# Altium PCB main.PcbDoc (part 3 of 5)
Units mm, origin at the board's own origin, x right, y up, seen from the top; angles counter-clockwise.
Board outline 54 x 86 mm, 8 copper layers (L1, L2, L3, L4, L5, L6, L7, L8), stack 1.624 mm thick; 313 components, 261 nets, 1426 pads, 897 vias.
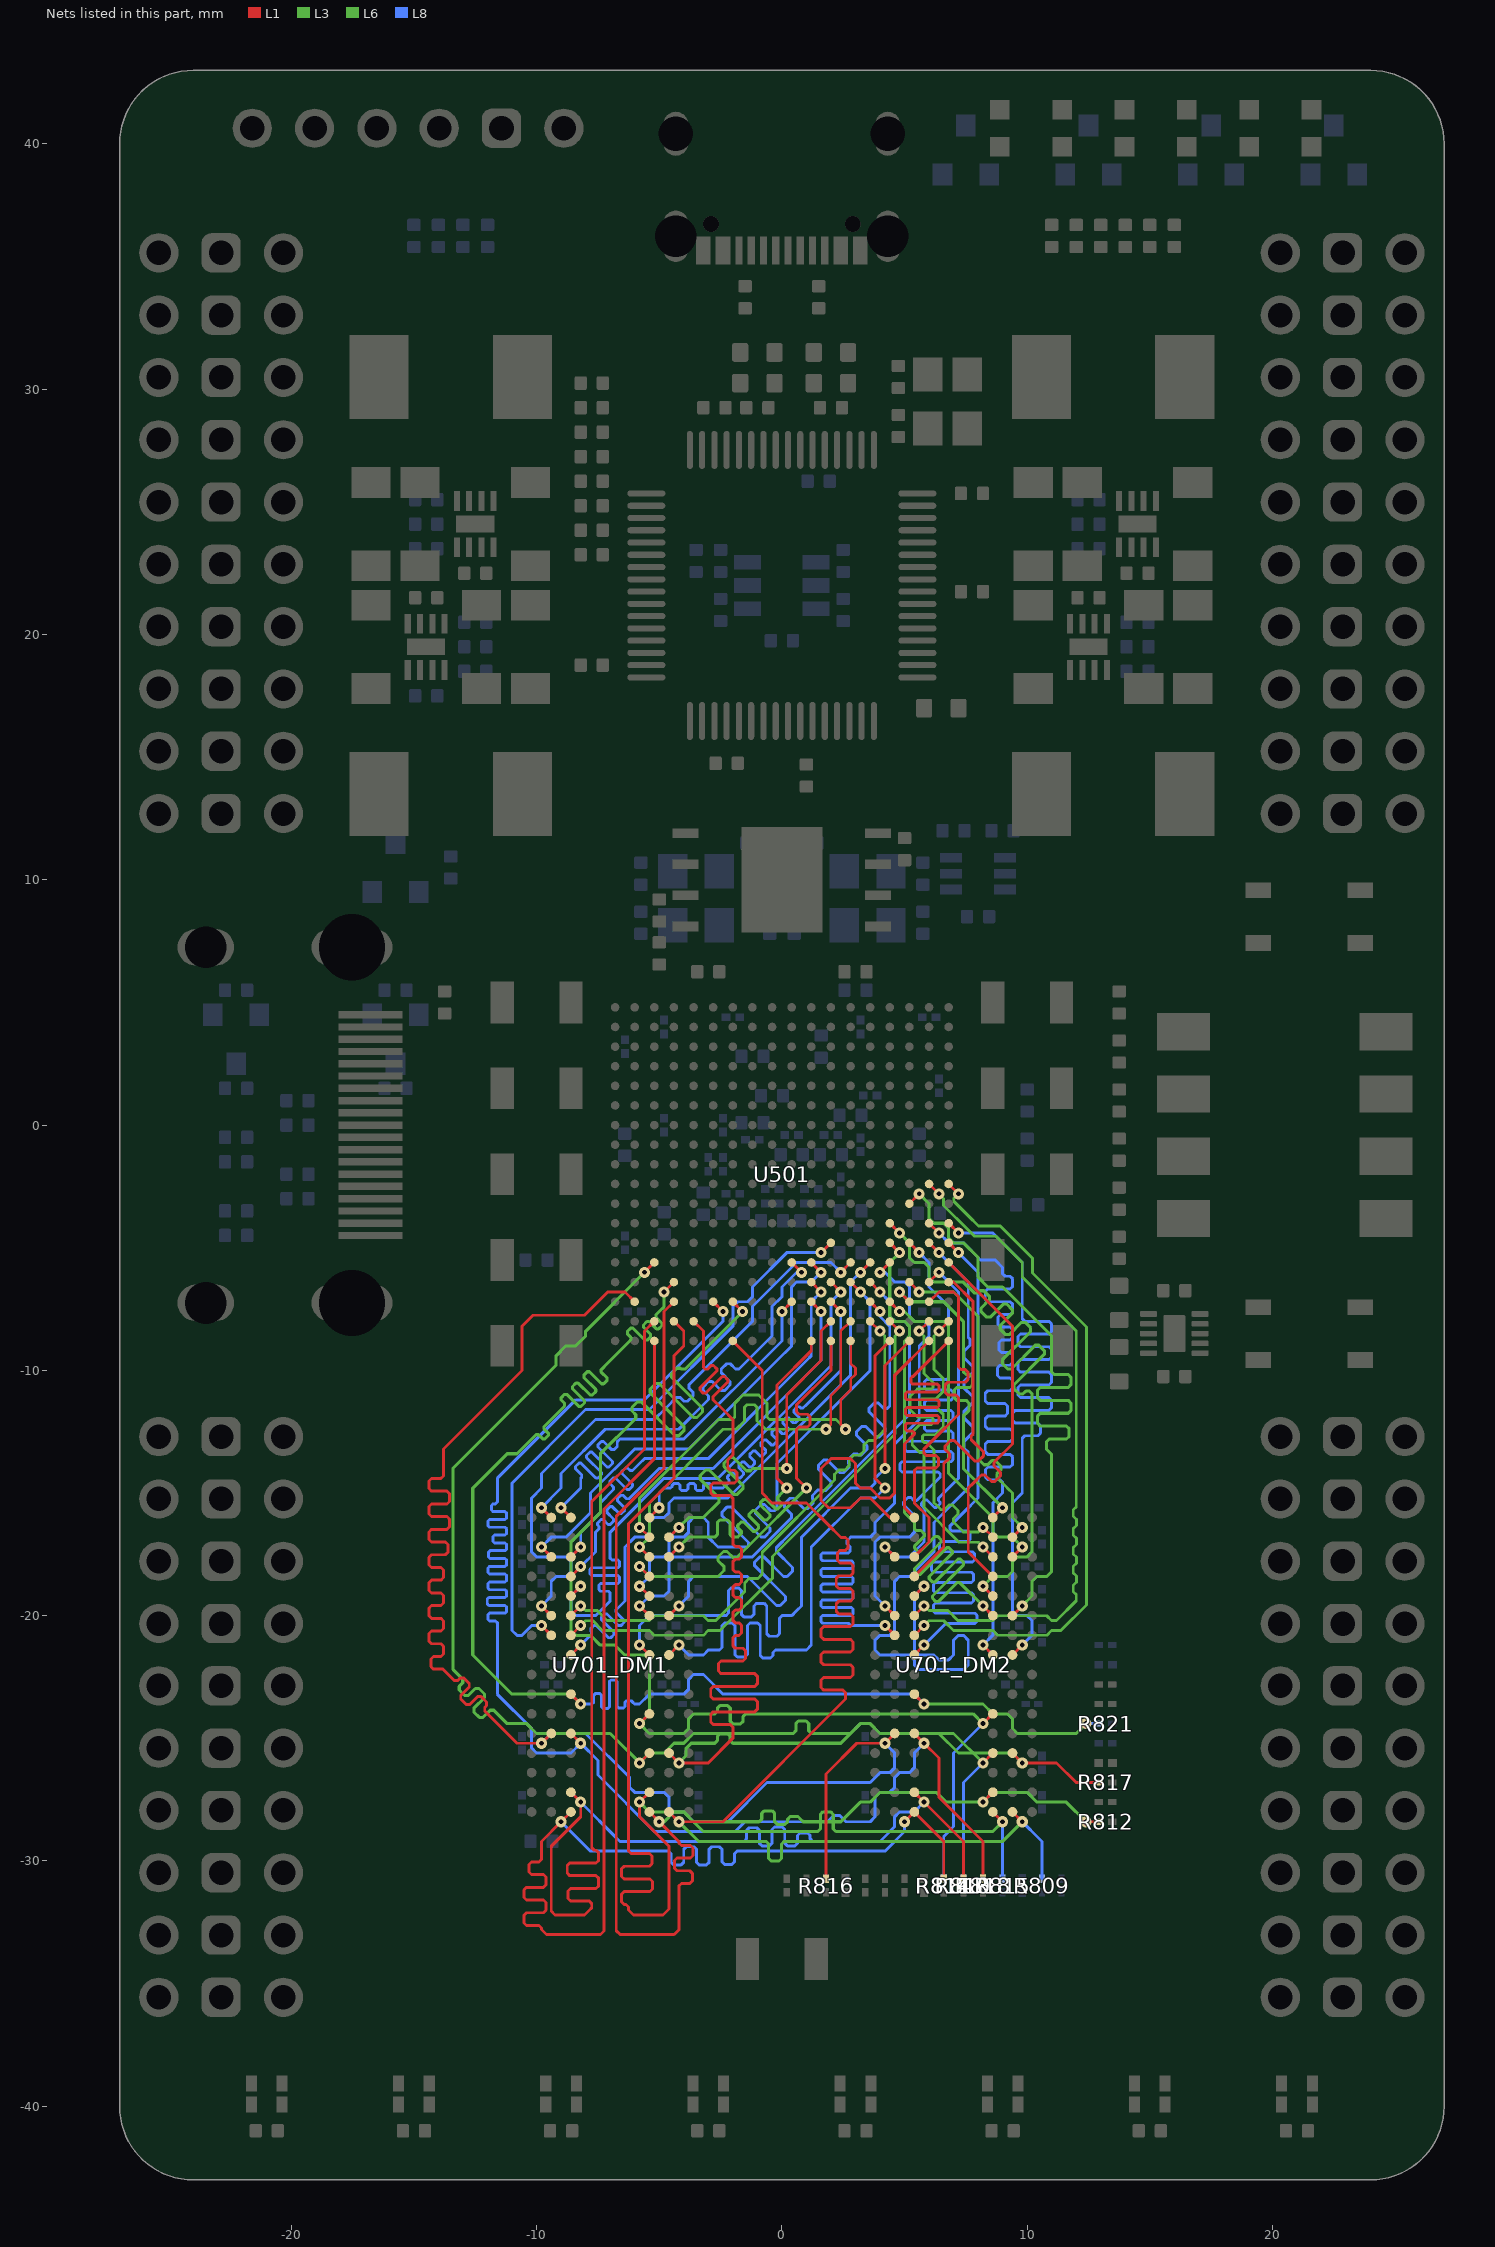
[diagram p9: the nets of this part, all layers, seen from the top]

## Via types
v1: diameter 0.45/0/0/0/0/0/0/0.45 (per signal layer), hole 0.2, L1 to L8, tented both sides, 459 vias
v2: diameter 0.45/0/0/0/0/0/0/0.45 (per signal layer), hole 0.3, L1 to L8, tented both sides, 203 vias
v3: diameter 0.45/0/0/0/0/0.45/0/0.45 (per signal layer), hole 0.2, L1 to L8, tented both sides, 98 vias
v4: diameter 0.5/0/0/0/0/0/0/0.5 (per signal layer), hole 0.3, L1 to L8, tented both sides, 72 vias
v5: diameter 0.45/0/0.45/0/0/0/0/0.45 (per signal layer), hole 0.2, L1 to L8, tented both sides, 58 vias
v6: diameter 0.45/0/0.45/0/0/0.45/0/0.45 (per signal layer), hole 0.2, L1 to L8, tented both sides, 6 vias
v7: diameter 0.45/0/0.45/0/0/0/0/0.45 (per signal layer), hole 0.3, L1 to L8, tented both sides, 1 vias

## Nets (pads, with @x,y where several pads share a name; then routed paths per layer and width w, separated by ;. In a path a pad name is that pad's centre, name@x,y a point inside that pad or via, vN(x,y) a via of type N, cw(c..) or ccw(c..) an arc to the next point about the centre after c; other vN are vias at no path point) (continued)
DDRADR.A8: R809.1 U501.G1 U701_DM1.T8 U701_DM2.T8 | length 56
  L1 w0.118: U701_DM1.T8@-4.6,-28 v5(-4.2,-28.4) -2.4,-28.4 2.6,-23.4 2.6,-23.2 2.6,-23.141 2.496,-23.037 1.704,-23.037 1.6,-22.933 1.6,-22.622 1.704,-22.519 2.796,-22.519 2.9,-22.415 2.9,-22.104 2.796,-22 1.704,-22 1.6,-21.897 1.6,-21.586 1.704,-21.482 2.796,-21.482 2.9,-21.378 2.9,-21.067 2.796,-20.964 1.704,-20.964 1.6,-20.86 1.6,-20.549 1.704,-20.445 2.796,-20.445 2.9,-20.341 2.9,-20.03 2.796,-19.927 2.322,-19.927 2.218,-19.823 2.218,-19.512 2.322,-19.408 2.796,-19.408 2.9,-19.305 2.9,-18.994 2.796,-18.89 2.322,-18.89 2.218,-18.786 2.218,-18.475 2.322,-18.372 2.796,-18.372 2.9,-18.268 2.9,-17.957 2.796,-17.853 2.372,-17.853 2.269,-17.749 2.269,-17.438 2.372,-17.335 2.6,-17.335 2.704,-17.231 2.704,-16.92 2.6,-16.816 2.416,-16.816 1.848,-16.248 1,-15.4 -0.4,-15.4 -0.8,-15 -0.8,-10 U501.G1@-2,-8.8 ; U701_DM2.T8@9.4,-28 v5(9.8,-28.4)
  L3 w0.126: v5(-4.2,-28.4) -3.4,-29.2 -1.233,-29.2 -0.644,-29.2 -0.539,-29.305 -0.539,-29.897 -0.434,-30.002 -0.118,-30.002 -0.013,-29.897 -0.013,-29.305 0.093,-29.2 1.4,-29.2 9,-29.2 v5(9.8,-28.4)
  L8 w0.118: v5(9.8,-28.4) 10.5,-29.1 10.6,-29.2 R809.1@10.6,-30.725
DDRADR.A9: R810.1 U501.C2 U701_DM1.R3 U701_DM2.R3 | length 59.6
  L1 w0.118: U701_DM1.R3@-8.6,-27.2 v1(-8.2,-27.6) -8.2,-28.2 -9.4,-29.4 -9.4,-32.045 -9.245,-32.2 -8.045,-32.2 -7.864,-32.019 -7.75,-31.905 -7.75,-31.74 -7.854,-31.636 -8.61,-31.636 -8.714,-31.533 -8.714,-31.222 -8.61,-31.118 -7.572,-31.118 -7.468,-31.014 -7.468,-30.703 -7.572,-30.6 -8.646,-30.6 -8.75,-30.496 -8.75,-30.185 -8.646,-30.081 -7.572,-30.081 -7.468,-29.978 -7.468,-29.667 -7.572,-29.563 -7.646,-29.563 -7.75,-29.459 -7.75,-29.4 -7.75,-15.35 -5.6,-13.2 -5.6,-8.4 U501.C2@-5.2,-8 ; U701_DM2.R3@5.4,-27.2 v1(5.8,-27.6) 7.4,-29.2 R810.1@7.4,-30.725
  L8 w0.118: v1(-8.2,-27.6) -8,-27.8 -6.913,-28.887 -6.6,-29.2 -1.6,-29.2 -1.541,-29.2 -1.437,-29.096 -1.437,-28.75 -1.333,-28.646 -1.022,-28.646 -0.919,-28.75 -0.919,-29.278 -0.815,-29.382 -0.504,-29.382 -0.4,-29.278 -0.4,-28.722 -0.297,-28.618 0.014,-28.618 0.118,-28.722 0.118,-29.278 0.222,-29.382 0.533,-29.382 0.636,-29.278 0.636,-28.959 0.74,-28.856 1.051,-28.856 1.155,-28.959 1.155,-29.096 1.259,-29.2 1.4,-29.2 4,-29.2 4.6,-28.6 4.6,-28.2 4.8,-28 5.4,-28 v1(5.8,-27.6)
DDRADR.A10: R811.1 U501.G3 U701_DM1.L7 U701_DM2.L7 | length 55.5
  L1 w0.118: v6(-5.8,-24.4) U701_DM1.L7@-5.4,-24 ; U501.G3@-2,-7.2 v3(-1.6,-7.6) ; v5(8.2,-24.4) U701_DM2.L7@8.6,-24
  L3 w0.126: v6(-5.8,-24.4) -5.4,-24.8 -4,-24.8 -3.8,-24.6 -3.8,-24.2 -3.6,-24 -2.8,-24 -2.737,-24 -2.632,-23.895 -2.632,-23.771 -2.526,-23.665 -2.211,-23.665 -2.105,-23.771 -2.105,-24.307 -2,-24.412 -1.684,-24.412 -1.579,-24.307 -1.579,-24.105 -1.474,-24 -1.006,-24 7.8,-24 v5(8.2,-24.4)
  L6 w0.126: v6(-5.8,-24.4) -5.4,-24 -5.4,-21.8 -5.6,-21.6 -6.4,-21.6 -6.8,-21.2 -7.4,-21.2 -7.8,-20.8 -8.4,-20.8 -8.6,-20.6 -8.6,-17 -7.4,-15.8 -7.4,-13.4 -6,-12 -5.956,-11.956 -5.956,-11.807 -6.109,-11.653 -6.109,-11.504 -5.886,-11.281 -5.737,-11.281 -4.354,-12.665 -4.205,-12.665 -3.982,-12.441 -3.982,-12.292 -5.365,-10.909 -5.365,-10.76 -5.142,-10.537 -4.993,-10.537 -3.61,-11.92 -3.461,-11.92 -3.238,-11.697 -3.238,-11.548 -4.502,-10.284 -4.502,-10.135 -4.279,-9.912 -4.13,-9.912 -4.095,-9.946 -3.946,-9.946 -3.645,-9.645 v3(-1.6,-7.6)
  L8 w0.118: R811.1@6.6,-30.725 6.6,-29.1 6.6,-29 7,-28.6 7,-25.6 v5(8.2,-24.4)
DDRADR.A11: R812.1 U501.D2 U701_DM1.R7 U701_DM2.R7 | length 58.7
  L1 w0.118: U701_DM1.R7@-5.4,-27.2 v3(-5.8,-27.6) -5.8,-28.2 -4.6,-29.4 -4.6,-31.955 -4.845,-32.2 -6.045,-32.2 -6.25,-31.995 -6.25,-31.931 -6.25,-31.872 -6.354,-31.768 -6.428,-31.768 -6.532,-31.665 -6.532,-31.354 -6.428,-31.25 -5.373,-31.25 -5.269,-31.146 -5.269,-30.835 -5.373,-30.732 -6.428,-30.732 -6.532,-30.628 -6.532,-30.317 -6.428,-30.213 -5.394,-30.213 -5.29,-30.11 -5.29,-29.798 -5.394,-29.695 -6.146,-29.695 -6.25,-29.591 -6.25,-29.43 -6.25,-16.25 -4.4,-14.4 -4.4,-9.4 -4,-9 -4,-8.4 U501.D2@-4.4,-8 ; v6(8.2,-27.6) U701_DM2.R7@8.6,-27.2 ; v5(12.4,-28.4) R812.1@12.925,-28.4
  L3 w0.126: v6(8.2,-27.6) 8.6,-27.2 10,-27.2 10.4,-27.6 11.6,-27.6 v5(12.4,-28.4)
  L6 w0.126: v3(-5.8,-27.6) -5.4,-28 -4,-28 -3.6,-28.4 -0.987,-28.4 -0.924,-28.4 -0.819,-28.295 -0.819,-28.06 -0.713,-27.955 -0.398,-27.955 -0.292,-28.06 -0.292,-28.4 -0.187,-28.505 0.128,-28.505 0.234,-28.4 0.234,-28.295 0.339,-28.189 0.655,-28.189 0.76,-28.295 0.865,-28.4 1.318,-28.4 2.4,-28.4 3.2,-27.6 3.6,-27.6 4,-27.2 6.3,-27.2 6.7,-27.6 v6(8.2,-27.6)
DDRADR.A12: R813.1 U501.C5 U701_DM1.N7 U701_DM2.N7 | length 53.7
  L1 w0.118: v6(-5.8,-26) U701_DM1.N7@-5.4,-25.6 ; v3(-5.6,-6) U501.C5@-5.2,-5.6 ; v5(8.2,-26) U701_DM2.N7@8.6,-25.6
  L3 w0.126: v6(-5.8,-26) -5.4,-25.6 -4.8,-25.6 -4.4,-25.2 -4,-25.2 -3.6,-24.8 0.4,-24.8 0.463,-24.8 0.568,-24.695 0.568,-24.4 0.674,-24.295 0.989,-24.295 1.095,-24.4 1.095,-24.695 1.2,-24.8 1.965,-24.8 2.8,-24.8 3.2,-24.4 3.6,-24.4 4,-24.8 7,-24.8 v5(8.2,-26)
  L6 w0.126: v6(-5.8,-26) -7,-24.8 -10,-24.8 -10.4,-24.4 -11.2,-24.4 -11.7,-23.9 -11.745,-23.855 -11.893,-23.855 -12.185,-24.147 -12.334,-24.147 -12.557,-23.923 -12.557,-23.775 -12.125,-23.343 -12.125,-23.194 -12.349,-22.971 -12.498,-22.971 -12.78,-23.253 -12.928,-23.253 -13.152,-23.03 -13.152,-22.881 -13.01,-22.739 -13.01,-22.59 -13.355,-22.245 -13.4,-22.2 -13.4,-13.982 -9.2,-9.782 -9.2,-9.4 -8.8,-9 -8.4,-9 -8,-8.6 -8,-8.4 v3(-5.6,-6)
  L8 w0.118: R813.1@7.4,-30.725 7.4,-26.8 v5(8.2,-26)
DDRADR.A13: R814.1 U501.C1 U701_DM1.T3 U701_DM2.T3 | length 59.1
  L1 w0.118: U701_DM1.T3@-8.6,-28 v1(-9,-28.4) -9.8,-29.2 -9.8,-29.439 -9.8,-29.933 -9.904,-30.036 -10.209,-30.036 -10.313,-30.14 -10.313,-30.451 -10.209,-30.555 -9.722,-30.555 -9.618,-30.658 -9.618,-30.969 -9.722,-31.073 -10.405,-31.073 -10.508,-31.177 -10.508,-31.488 -10.405,-31.591 -9.722,-31.591 -9.618,-31.695 -9.618,-32.006 -9.722,-32.11 -10.405,-32.11 -10.508,-32.214 -10.508,-32.525 -10.405,-32.628 -9.904,-32.628 -9.8,-32.732 -9.8,-32.791 -9.591,-33 -7.391,-33 -7.25,-32.859 -7.25,-15.65 -5.2,-13.6 U501.C1@-5.2,-8.8 ; v1(5,-28.4) U701_DM2.T3@5.4,-28 6.6,-29.2 R814.1@6.6,-30.725
  L8 w0.118: v1(-9,-28.4) -7.8,-29.6 -5.2,-29.6 -4.622,-29.6 -4.519,-29.704 -4.519,-30.052 -4.415,-30.156 -4.104,-30.156 -4,-30.052 -4,-29.522 -3.897,-29.418 -3.586,-29.418 -3.482,-29.522 -3.482,-30.052 -3.378,-30.156 -3.067,-30.156 -2.964,-30.052 -2.964,-29.522 -2.86,-29.418 -2.549,-29.418 -2.445,-29.522 -2.445,-30.032 -2.341,-30.136 -2.03,-30.136 -1.927,-30.032 -1.927,-29.704 -1.823,-29.6 -1.008,-29.6 4.2,-29.6 5,-28.8 v1(5,-28.4)
DDRADR.A14: R815.1 U501.D3 U701_DM1.T7 U701_DM2.T7 | length 55.7
  L1 w0.118: U701_DM1.T7@-5.4,-28 v5(-5,-28.4) -4.2,-29.2 -4.2,-29.259 -4.096,-29.363 -3.725,-29.363 -3.621,-29.467 -3.621,-29.778 -3.725,-29.881 -4.278,-29.881 -4.382,-29.985 -4.382,-30.296 -4.278,-30.4 -3.755,-30.4 -3.651,-30.503 -3.651,-30.814 -3.755,-30.918 -4.096,-30.918 -4.2,-31.022 -4.2,-31.384 -4.2,-32.809 -4.391,-33 -6.591,-33 -6.75,-32.841 -6.75,-15.95 -4.8,-14 -4.8,-7.6 U501.D3@-4.4,-7.2 ; U701_DM2.T7@8.6,-28 v5(9,-28.4)
  L3 w0.126: v5(-5,-28.4) -4.8,-28.4 -4.4,-28 -4,-28 -3.2,-28.8 1.4,-28.8 1.463,-28.8 1.568,-28.695 1.568,-28.103 1.674,-27.998 1.989,-27.998 2.095,-28.103 2.095,-28.695 2.2,-28.8 2.596,-28.8 8.6,-28.8 v5(9,-28.4)
  L8 w0.118: R815.1@9,-30.725 v5(9,-28.4)
DDRADR.BA0: R816.1 U501.B3 U701_DM1.M2 U701_DM2.M2 | length 63.1
  L1 w0.118: U701_DM1.M2@-9.4,-24.8 v1(-9.8,-25.2) -10.8,-25.2 -11.9,-24.1 -11.942,-24.058 -12.112,-23.888 -12.112,-23.742 -12.038,-23.668 -12.038,-23.521 -12.258,-23.301 -12.405,-23.301 -12.724,-23.621 -12.871,-23.621 -13.091,-23.401 -13.091,-23.254 -12.746,-22.909 -12.746,-22.763 -12.966,-22.543 -13.113,-22.543 -13.212,-22.642 -13.358,-22.642 -13.4,-22.6 -13.656,-22.344 -13.818,-22.182 -14.206,-22.182 -14.31,-22.078 -14.31,-21.767 -14.206,-21.663 -13.894,-21.663 -13.79,-21.559 -13.79,-21.248 -13.894,-21.145 -14.278,-21.145 -14.382,-21.041 -14.382,-20.73 -14.278,-20.626 -13.894,-20.626 -13.79,-20.523 -13.79,-20.212 -13.894,-20.108 -14.278,-20.108 -14.382,-20.004 -14.382,-19.693 -14.278,-19.59 -13.894,-19.59 -13.79,-19.486 -13.79,-19.175 -13.894,-19.071 -14.278,-19.071 -14.382,-18.967 -14.382,-18.656 -14.278,-18.553 -13.893,-18.553 -13.789,-18.449 -13.789,-18.138 -13.893,-18.034 -14.278,-18.034 -14.382,-17.931 -14.382,-17.62 -14.278,-17.516 -13.719,-17.516 -13.616,-17.412 -13.616,-17.101 -13.719,-16.998 -14.278,-16.998 -14.382,-16.894 -14.382,-16.583 -14.278,-16.479 -13.647,-16.479 -13.544,-16.376 -13.544,-16.064 -13.647,-15.961 -14.278,-15.961 -14.382,-15.857 -14.382,-15.546 -14.278,-15.442 -13.647,-15.442 -13.544,-15.339 -13.544,-15.028 -13.647,-14.924 -14.278,-14.924 -14.382,-14.82 -14.382,-14.509 -14.278,-14.406 -13.904,-14.406 -13.8,-14.302 -13.8,-13.6 -13.8,-13.2 -10.6,-10 -10.6,-8.2 -10.15,-7.75 -8.05,-7.75 -7.1,-6.8 -6.4,-6.8 U501.B3@-6,-7.2 ; R816.1@1.8,-30.725 1.8,-26.45 3.05,-25.2 v1(4.2,-25.2) U701_DM2.M2@4.6,-24.8
  L8 w0.118: v1(-9.8,-25.2) -9.4,-24.8 -8,-24.8 -6.2,-26.6 -6.2,-27 -6,-27.2 -4.8,-27.2 -4.6,-27.4 -4.6,-27.8 -4.4,-28 -4,-28 -3.6,-28.4 -2.2,-28.4 -0.6,-26.8 3.6,-26.8 4,-26.4 4.4,-26.4 4.6,-26.2 4.6,-25.6 v1(4.2,-25.2)
DDRADR.BA1: R817.1 U501.E2 U701_DM1.N8 U701_DM2.N8 | length 56.8
  L1 w0.118: U701_DM1.N8@-4.6,-25.6 v3(-4.2,-26) -3,-26 -2,-25 -2,-24.6 -2,-24.541 -2.104,-24.437 -2.796,-24.437 -2.9,-24.333 -2.9,-24.022 -2.796,-23.919 -1.104,-23.919 -1,-23.815 -1,-23.504 -1.104,-23.4 -2.796,-23.4 -2.9,-23.297 -2.9,-22.986 -2.796,-22.882 -1.104,-22.882 -1,-22.778 -1,-22.467 -1.104,-22.364 -2.478,-22.364 -2.582,-22.26 -2.582,-21.949 -2.478,-21.845 -1.582,-21.845 -1.478,-21.741 -1.478,-21.43 -1.582,-21.327 -1.896,-21.327 -2,-21.223 -2,-20.912 -1.896,-20.808 -1.744,-20.808 -1.641,-20.705 -1.641,-20.394 -1.744,-20.29 -1.896,-20.29 -2,-20.186 -2,-19.875 -1.896,-19.772 -1.744,-19.772 -1.641,-19.668 -1.641,-19.357 -1.744,-19.253 -1.896,-19.253 -2,-19.149 -2,-18.838 -1.896,-18.735 -1.744,-18.735 -1.641,-18.631 -1.641,-18.32 -1.744,-18.216 -1.896,-18.216 -2,-18.113 -2,-17.802 -1.896,-17.698 -1.744,-17.698 -1.641,-17.594 -1.641,-17.283 -1.744,-17.18 -1.896,-17.18 -2,-17.076 -2,-15.21 -2.104,-15.106 -2.796,-15.106 -2.9,-15.002 -2.9,-14.691 -2.796,-14.588 -1.929,-14.588 -1.825,-14.484 -1.825,-14.173 -1.929,-14.069 -2.104,-14.069 -2.207,-13.965 -2.207,-13.654 -2.104,-13.551 -2,-13.447 -2,-12.791 -2,-12 -2.4,-11.6 -2.442,-11.558 -2.815,-11.185 -2.815,-11.087 -2.202,-10.474 -2.202,-10.384 -2.337,-10.248 -2.427,-10.248 -3.111,-10.933 -3.201,-10.933 -3.337,-10.797 -3.337,-10.707 -2.653,-10.023 -2.653,-9.933 -2.788,-9.798 -2.878,-9.798 -3.033,-9.953 -3.131,-9.953 -3.2,-9.884 -3.2,-9.8 -3.2,-8.4 U501.E2@-3.6,-8 ; U701_DM2.N8@9.4,-25.6 v3(9.8,-26) 11.1,-26 11.2,-26 12,-26.8 R817.1@12.925,-26.8
  L6 w0.126: v3(-4.2,-26) -3.9,-25.7 -3.9,-25.4 -3.7,-25.2 -2.8,-25.2 -2.737,-25.2 -2.632,-25.095 -2.632,-24.922 -2.526,-24.816 -2.211,-24.816 -2.105,-24.922 -2.105,-25.095 -2,-25.2 -1.801,-25.2 2.4,-25.2 3.2,-24.4 3.6,-24.4 4,-24.8 6.4,-24.8 7.2,-25.6 9.4,-25.6 v3(9.8,-26)
DDRADR.BA2: R818.1 U501.F3 U701_DM1.M3 U701_DM2.M3 | length 62.4
  L1 w0.118: U701_DM1.M3@-8.6,-24.8 v1(-8.2,-25.2) ; U501.F3@-2.8,-7.2 v1(-2.4,-7.6) ; U701_DM2.M3@5.4,-24.8 v1(5.8,-25.2) 6.4,-25.8 6.4,-27.4 8.2,-29.2 R818.1@8.2,-30.725
  L8 w0.118: v1(-2.4,-7.6) -2.4,-8 -5.6,-11.2 -8.4,-11.2 -11.6,-14.4 -11.6,-14.821 -11.6,-15.371 -11.669,-15.44 -11.769,-15.44 -11.833,-15.504 -11.833,-15.695 -11.769,-15.759 -11.282,-15.759 -11.218,-15.822 -11.218,-16.013 -11.282,-16.077 -11.918,-16.077 -11.982,-16.141 -11.982,-16.332 -11.918,-16.395 -11.282,-16.395 -11.218,-16.459 -11.218,-16.65 -11.282,-16.714 -11.711,-16.714 -11.774,-16.777 -11.774,-16.969 -11.711,-17.032 -11.282,-17.032 -11.218,-17.096 -11.218,-17.287 -11.282,-17.351 -11.891,-17.351 -11.955,-17.414 -11.955,-17.605 -11.891,-17.669 -11.282,-17.669 -11.218,-17.733 -11.218,-17.924 -11.282,-17.987 -11.918,-17.987 -11.982,-18.051 -11.982,-18.242 -11.918,-18.306 -11.282,-18.306 -11.218,-18.369 -11.218,-18.561 -11.282,-18.624 -11.918,-18.624 -11.982,-18.688 -11.982,-18.879 -11.918,-18.943 -11.282,-18.943 -11.218,-19.006 -11.218,-19.197 -11.282,-19.261 -11.946,-19.261 -12.009,-19.325 -12.009,-19.516 -11.946,-19.579 -11.282,-19.579 -11.218,-19.643 -11.218,-19.834 -11.282,-19.898 -11.918,-19.898 -11.982,-19.961 -11.982,-20.153 -11.918,-20.216 -11.669,-20.216 -11.6,-20.286 -11.6,-20.345 -11.6,-23.2 -10.2,-24.6 -10.2,-25.4 -10,-25.6 -8.6,-25.6 v1(-8.2,-25.2) -7.5,-25.9 -7.5,-26.5 -5.2,-28.8 -1.9,-28.8 -1.5,-28.4 1.8,-28.4 1.859,-28.4 2.109,-28.15 2.359,-28.15 2.609,-28.4 2.8,-28.4 3.6,-28.4 3.8,-28.2 3.8,-27.4 4,-27.2 4.4,-27.2 4.6,-27 4.6,-26.6 4.8,-26.4 5.2,-26.4 5.4,-26.2 5.4,-25.6 v1(5.8,-25.2)
DDRB0.DM_1: U501.L3 U701_DM1.D3 | length 19
  L1 w0.118: U701_DM1.D3@-8.6,-18.4 v1(-8.2,-18) ; U501.L3@1.2,-7.2 v1(1.6,-7.6)
  L8 w0.118: v1(-8.2,-18) -7.6,-17.4 -7.6,-16.6 -7.5,-16.5 -7.458,-16.458 -7.458,-16.36 -7.51,-16.309 -7.51,-16.218 -7.375,-16.083 -7.284,-16.083 -7.083,-16.284 -6.993,-16.284 -6.858,-16.149 -6.858,-16.059 -7.137,-15.781 -7.137,-15.691 -7.001,-15.556 -6.911,-15.556 -6.633,-15.834 -6.543,-15.834 -6.408,-15.699 -6.408,-15.609 -6.702,-15.315 -6.702,-15.225 -6.567,-15.09 -6.477,-15.09 -6.332,-15.234 -6.234,-15.234 -6.012,-15.012 -5,-14 -2.8,-14 1.6,-9.6 v1(1.6,-7.6)
DDRB0.DQ0: U501.M1 U701_DM1.D7 | length 17.5
  L1 w0.118: v3(-5.8,-18) U701_DM1.D7@-5.4,-18.4 ; v3(1,-14.8) 0.6,-14.4 0.6,-12.987 0.6,-12.409 0.704,-12.306 1.046,-12.306 1.15,-12.202 1.15,-11.891 1.046,-11.787 0.704,-11.787 0.6,-11.683 0.6,-11.6 0.6,-11.4 2,-10 U501.M1@2,-8.8
  L6 w0.126: v3(-5.8,-18) -5.4,-18.4 -2.6,-18.4 -2.4,-18.2 -2.355,-18.155 -2.355,-18.007 -2.606,-17.756 -2.606,-17.607 -2.383,-17.384 -2.234,-17.384 -1.983,-17.634 -1.834,-17.634 -1.4,-17.2 v3(1,-14.8)
DDRB0.DQ1: U501.L4 U701_DM1.C3 | length 19
  L1 w0.118: U701_DM1.C3@-8.6,-17.6 v1(-8.2,-17.2) ; U501.L4@1.2,-6.4 v1(1.6,-6.8)
  L8 w0.118: v1(-8.2,-17.2) -8.2,-16.6 -7.4,-15.8 -7.4,-15.4 -6.9,-14.9 -6.858,-14.858 -6.858,-14.76 -7.01,-14.609 -7.01,-14.518 -6.875,-14.383 -6.784,-14.383 -6.313,-14.855 -6.223,-14.855 -6.088,-14.72 -6.088,-14.63 -6.514,-14.203 -6.514,-14.113 -6.379,-13.978 -6.289,-13.978 -6.183,-14.085 -6.085,-14.085 -5.8,-13.8 -5.6,-13.6 -3,-13.6 1,-9.6 1.2,-9.4 1.2,-7.2 v1(1.6,-6.8)
DDRB0.DQ2: U501.L1 U701_DM1.C8 | length 17.4
  L1 w0.118: U701_DM1.C8@-4.6,-17.6 v3(-4.2,-17.2) ; v3(0.2,-14.8) -0.2,-14.4 -0.2,-10.6 1.2,-9.2 U501.L1@1.2,-8.8
  L6 w0.126: v3(-4.2,-17.2) -3.8,-16.8 -2.8,-16.8 -2.737,-16.8 -2.632,-16.695 -2.632,-16.203 -2.526,-16.098 -2.211,-16.098 -2.105,-16.203 -2.105,-16.695 -2,-16.8 -1.8,-16.8 -1.786,-16.786 -1.7,-16.7 -1.655,-16.655 -1.655,-16.551 -1.797,-16.409 -1.797,-16.317 -1.659,-16.179 -1.566,-16.179 -1.179,-16.566 -1.086,-16.566 -0.948,-16.428 -0.948,-16.336 -1.336,-15.948 -1.336,-15.856 -1.197,-15.717 -1.105,-15.717 -0.717,-16.105 -0.625,-16.105 -0.487,-15.967 -0.487,-15.874 -0.874,-15.487 -0.874,-15.394 -0.736,-15.256 -0.644,-15.256 -0.256,-15.644 -0.164,-15.644 -0.025,-15.505 -0.025,-15.413 -0.167,-15.271 -0.167,-15.167 0,-15 v3(0.2,-14.8)
DDRB0.DQ3: U501.L5 U701_DM1.C2 | length 19
  L1 w0.118: v1(-9.8,-17.2) U701_DM1.C2@-9.4,-17.6 ; U501.L5@1.2,-5.6 v1(1.6,-6)
  L8 w0.118: v1(-9.8,-17.2) -9.4,-16.8 -8.8,-16.8 -7.8,-15.8 -7.8,-15 -7.7,-14.9 -6,-13.2 -3.8,-13.2 -0.2,-9.6 0.4,-9 0.4,-6.6 0.6,-6.4 1.2,-6.4 v1(1.6,-6)
DDRB0.DQ4: U501.M3 U701_DM1.A7 | length 18.9
  L1 w0.118: U701_DM1.A7@-5.4,-16 v1(-5,-15.6) ; U501.M3@2,-7.2 v1(2.4,-7.6)
  L8 w0.118: v1(-5,-15.6) -5,-15 -4.8,-14.8 -4.6,-14.8 -4.541,-14.8 -4.471,-14.731 -4.471,-14.682 -4.408,-14.618 -4.217,-14.618 -4.153,-14.682 -4.153,-14.836 -4.089,-14.9 -3.898,-14.9 -3.835,-14.836 -3.835,-14.682 -3.771,-14.618 -3.58,-14.618 -3.516,-14.682 -3.516,-14.836 -3.453,-14.9 -3.262,-14.9 -3.198,-14.836 -3.198,-14.682 -3.134,-14.618 -2.943,-14.618 -2.879,-14.682 -2.879,-14.731 -2.81,-14.8 -2.651,-14.8 -2.4,-14.8 -2.2,-14.6 -2.158,-14.558 -2.158,-14.46 -2.21,-14.409 -2.21,-14.318 -2.075,-14.183 -1.984,-14.183 -1.783,-14.384 -1.693,-14.384 -1.558,-14.249 -1.558,-14.159 -1.759,-13.958 -1.759,-13.868 -1.624,-13.733 -1.534,-13.733 -1.333,-13.934 -1.243,-13.934 -1.108,-13.799 -1.108,-13.709 -1.309,-13.508 -1.309,-13.418 -1.174,-13.283 -1.084,-13.283 -0.883,-13.484 -0.793,-13.484 -0.658,-13.349 -0.658,-13.259 -0.859,-13.058 -0.859,-12.968 -0.724,-12.833 -0.634,-12.833 -0.433,-13.034 -0.343,-13.034 -0.207,-12.899 -0.207,-12.808 -0.408,-12.607 -0.408,-12.517 -0.273,-12.382 -0.183,-12.382 0.018,-12.583 0.108,-12.583 0.243,-12.448 0.243,-12.358 0.042,-12.157 0.042,-12.067 0.177,-11.932 0.267,-11.932 0.468,-12.133 0.558,-12.133 0.693,-11.998 0.693,-11.908 0.492,-11.707 0.492,-11.617 0.627,-11.482 0.717,-11.482 0.769,-11.533 0.867,-11.533 1,-11.4 2.4,-10 v1(2.4,-7.6)